# Altium PCB DL-5新款球锁 - 拼板-20201231.PcbDoc (part 1 of 9) (continued)
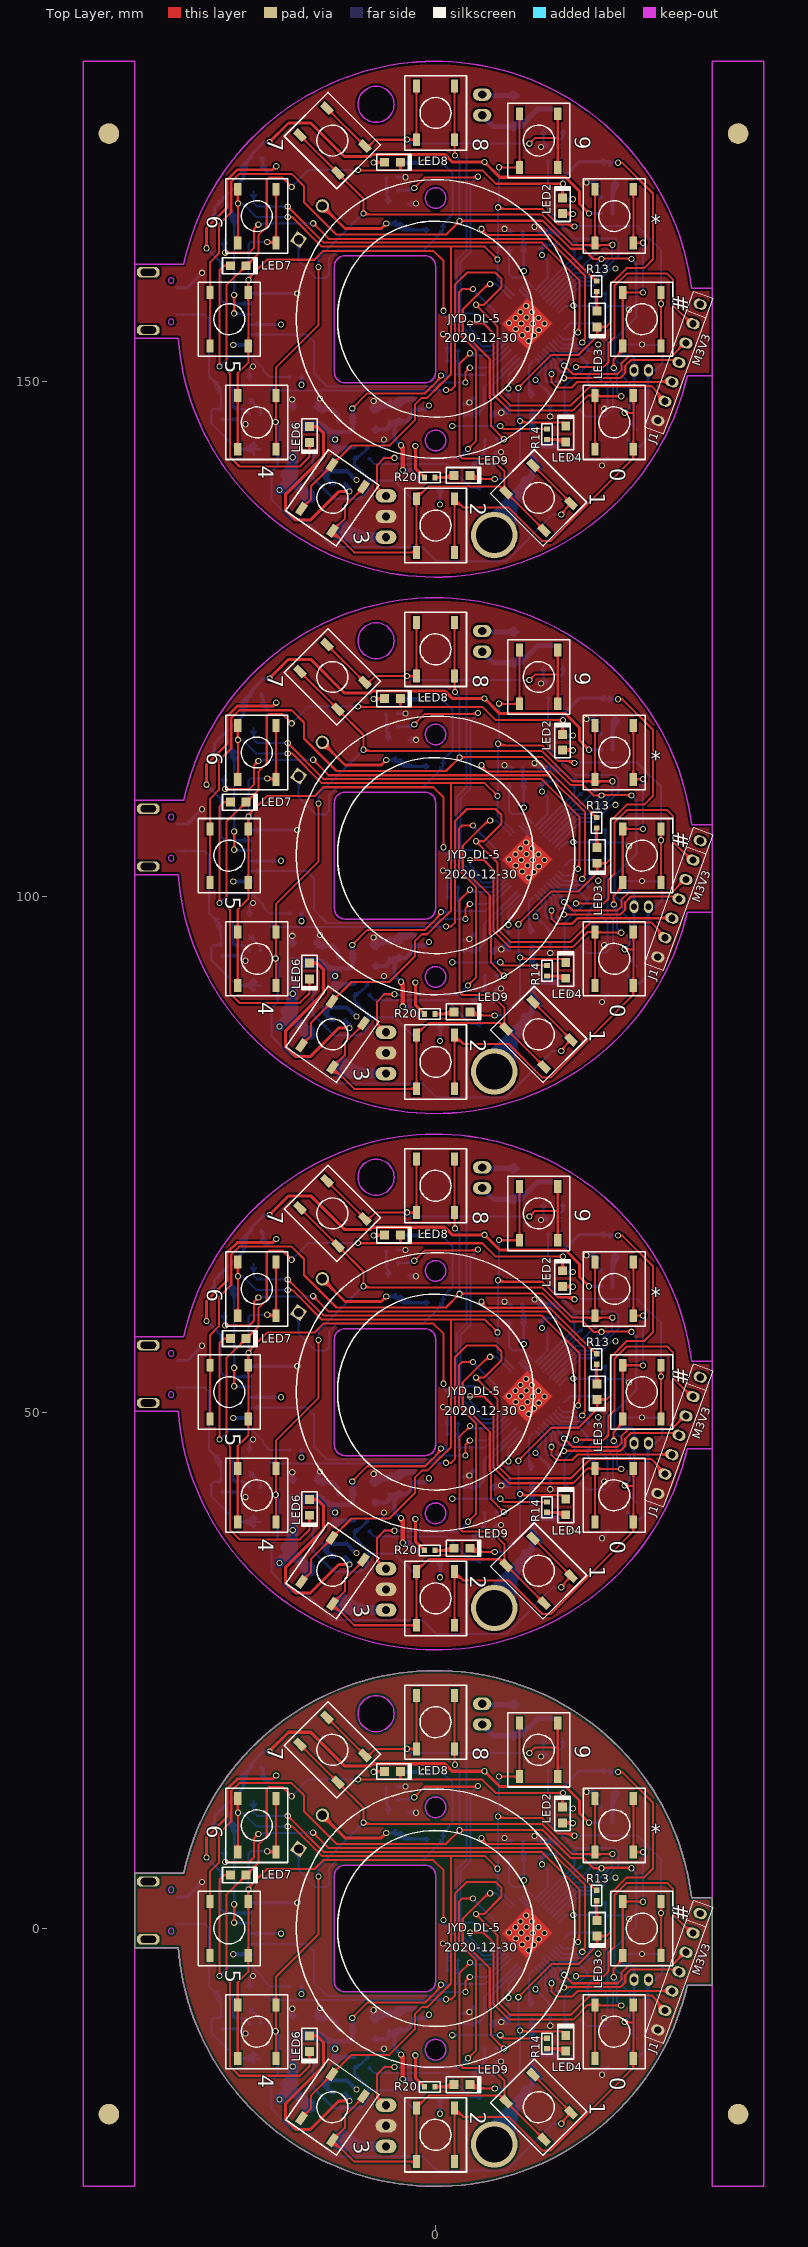
[diagram p0: Top Layer view]
## Components (designator, comment, footprint, x,y, rotation, side; value= is the part's Value field where it differs from the comment) (continued)
D1 "SS14" DO-214AA -10.723,33.204 r315 bottom
D1 "SS14" DO-214AA -10.723,-18.796 r315 bottom
D2 "SS14" DO-214AA -15.575,141.979 r135 bottom
D2 "SS14" DO-214AA -15.575,89.979 r135 bottom
D2 "SS14" DO-214AA -15.575,37.979 r135 bottom
D2 "SS14" DO-214AA -15.575,-14.021 r135 bottom
D3 "IN4148" SOD-123 7.87,176.193 r90 bottom
D3 "IN4148" SOD-123 7.87,124.193 r90 bottom
D3 "IN4148" SOD-123 7.87,72.193 r90 bottom
D3 "IN4148" SOD-123 7.87,20.193 r90 bottom
J1 "7P" 7P-2.0MM 25.65,157.448 r250 top
J1 "7P" 7P-2.0MM 25.65,105.448 r250 top
J1 "7P" 7P-2.0MM 25.65,53.448 r250 top
J1 "7P" 7P-2.0MM 25.65,1.448 r250 top
J3 "指纹串口" "6P-1.0mm 立式" -16.641,156 r270 bottom
J3 "指纹串口" "6P-1.0mm 立式" -16.641,104 r270 bottom
J3 "指纹串口" "6P-1.0mm 立式" -16.641,52 r270 bottom
J3 "指纹串口" "6P-1.0mm 立式" -16.641,0 r270 bottom
L2 "2nH" 0603L 9.368,147.796 r90 bottom
L2 "2nH" 0603L 9.368,95.796 r90 bottom
L2 "2nH" 0603L 9.368,43.796 r90 bottom
L2 "2nH" 0603L 9.368,-8.204 r90 bottom
L3 "2.2UH" 0603L 7.844,162.985 r0 bottom
L3 "2.2UH" 0603L 7.844,110.985 r0 bottom
L3 "2.2UH" 0603L 7.844,58.985 r0 bottom
L3 "2.2UH" 0603L 7.844,6.985 r0 bottom
LED2 "BLUE" 0603LED 12.315,166.998 r90 top
LED2 "BLUE" 0603LED 12.315,114.998 r90 top
LED2 "BLUE" 0603LED 12.315,62.998 r90 top
LED2 "BLUE" 0603LED 12.315,10.998 r90 top
LED3 "BLUE" 0603LED 15.667,156.025 r270 top
LED3 "BLUE" 0603LED 15.667,104.025 r270 top
LED3 "BLUE" 0603LED 15.667,52.025 r270 top
LED3 "BLUE" 0603LED 15.667,0.025 r270 top
LED4 "BLUE" 0603LED 12.619,144.875 r90 top
LED4 "BLUE" 0603LED 12.619,92.875 r90 top
LED4 "BLUE" 0603LED 12.619,40.875 r90 top
LED4 "BLUE" 0603LED 12.619,-11.125 r90 top
LED6 "BLUE" 0603LED -12.222,144.824 r270 top
LED6 "BLUE" 0603LED -12.222,92.824 r270 top
LED6 "BLUE" 0603LED -12.222,40.824 r270 top
LED6 "BLUE" 0603LED -12.222,-11.176 r270 top
LED7 "BLUE" 0603LED -19.131,161.182 r0 top
LED7 "BLUE" 0603LED -19.131,109.182 r0 top
LED7 "BLUE" 0603LED -19.131,57.182 r0 top
LED7 "BLUE" 0603LED -19.131,5.182 r0 top
LED8 "BLUE" 0603LED -4.17,171.215 r0 top
LED8 "BLUE" 0603LED -4.17,119.215 r0 top
LED8 "BLUE" 0603LED -4.17,67.215 r0 top
LED8 "BLUE" 0603LED -4.17,15.215 r0 top
LED9 "BLUE" 0603LED 2.561,140.862 r0 top
LED9 "BLUE" 0603LED 2.561,88.862 r0 top
LED9 "BLUE" 0603LED 2.561,36.862 r0 top
LED9 "BLUE" 0603LED 2.561,-15.138 r0 top
P1 "外接磁线圈" B2B-PH 4.517,176.777 r90 bottom
P1 "外接磁线圈" B2B-PH 4.517,124.777 r90 bottom
P1 "外接磁线圈" B2B-PH 4.517,72.777 r90 bottom
P1 "外接磁线圈" B2B-PH 4.517,20.777 r90 bottom
P2 "MICROUSB" MICRO-USB_F-B -26.446,157.75 r90 bottom
P2 "MICROUSB" MICRO-USB_F-B -26.446,105.75 r90 bottom
P2 "MICROUSB" MICRO-USB_F-B -26.446,53.75 r90 bottom
P2 "MICROUSB" MICRO-USB_F-B -26.446,1.75 r90 bottom
P3 "电池盒" B3B-PH -4.805,136.874 r90 bottom
P3 "电池盒" B3B-PH -4.805,84.874 r90 bottom
P3 "电池盒" B3B-PH -4.805,32.874 r90 bottom
P3 "电池盒" B3B-PH -4.805,-19.126 r90 bottom
Q1 "S8050" "SOT-23 - BCE" 11.4,175.355 r180 bottom
Q1 "S8050" "SOT-23 - BCE" 11.4,123.355 r180 bottom
Q1 "S8050" "SOT-23 - BCE" 11.4,71.355 r180 bottom
Q1 "S8050" "SOT-23 - BCE" 11.4,19.355 r180 bottom
Q2 "SI2301" "SOT-23 - GDS" -0.563,139.541 r90 bottom
Q2 "SI2301" "SOT-23 - GDS" -0.563,87.541 r90 bottom
Q2 "SI2301" "SOT-23 - GDS" -0.563,35.541 r90 bottom
Q2 "SI2301" "SOT-23 - GDS" -0.563,-16.459 r90 bottom
Q3 "BSS123W" "SOT-23 - GDS" -20.477,164.738 r0 bottom
Q3 "BSS123W" "SOT-23 - GDS" -20.477,112.738 r0 bottom
Q3 "BSS123W" "SOT-23 - GDS" -20.477,60.738 r0 bottom
Q3 "BSS123W" "SOT-23 - GDS" -20.477,8.738 r0 bottom
Q4 "BSS123W" "SOT-23 - GDS" -17.657,169.411 r0 bottom
Q4 "BSS123W" "SOT-23 - GDS" -17.657,117.411 r0 bottom
Q4 "BSS123W" "SOT-23 - GDS" -17.657,65.411 r0 bottom
Q4 "BSS123W" "SOT-23 - GDS" -17.657,13.411 r0 bottom
Q5 "SI2301" "SOT-23 - GDS" -10.698,142.284 r0 bottom
Q5 "SI2301" "SOT-23 - GDS" -10.698,90.284 r0 bottom
Q5 "SI2301" "SOT-23 - GDS" -10.698,38.284 r0 bottom
Q5 "SI2301" "SOT-23 - GDS" -10.698,-13.716 r0 bottom
Q6 "PMBT3904" "SOT-23 - BCE" -17.022,149.193 r90 bottom
Q6 "PMBT3904" "SOT-23 - BCE" -17.022,97.193 r90 bottom
Q6 "PMBT3904" "SOT-23 - BCE" -17.022,45.193 r90 bottom
Q6 "PMBT3904" "SOT-23 - BCE" -17.022,-6.807 r90 bottom
Q7 "PMBT3904" "SOT-23 - BCE" 4.542,140.76 r0 bottom
Q7 "PMBT3904" "SOT-23 - BCE" 4.542,88.76 r0 bottom
Q7 "PMBT3904" "SOT-23 - BCE" 4.542,36.76 r0 bottom
Q7 "PMBT3904" "SOT-23 - BCE" 4.542,-15.24 r0 bottom
R1 "10K" 0402R#1 11.4,172.739 r180 bottom
R1 "10K" 0402R#1 11.4,120.739 r180 bottom
R1 "10K" 0402R#1 11.4,68.739 r180 bottom
R1 "10K" 0402R#1 11.4,16.739 r180 bottom
R2 "100K" 0402R#1 -7.853,143.046 r270 bottom
R2 "100K" 0402R#1 -7.853,91.046 r270 bottom
R2 "100K" 0402R#1 -7.853,39.046 r270 bottom
R2 "100K" 0402R#1 -7.853,-12.954 r270 bottom
R3 "1K" 0402R#1 -6.507,143.071 r270 bottom
R3 "1K" 0402R#1 -6.507,91.071 r270 bottom
R3 "1K" 0402R#1 -6.507,39.071 r270 bottom
R3 "1K" 0402R#1 -6.507,-12.929 r270 bottom
R4 "200R" 0402R#1 -4.246,168.497 r0 bottom
R4 "200R" 0402R#1 -4.246,116.497 r0 bottom
R4 "200R" 0402R#1 -4.246,64.497 r0 bottom
R4 "200R" 0402R#1 -4.246,12.497 r0 bottom
R5 "10K" 0402R#1 15.261,152.901 r0 bottom
R5 "10K" 0402R#1 15.261,100.901 r0 bottom
R5 "10K" 0402R#1 15.261,48.901 r0 bottom
R5 "10K" 0402R#1 15.261,-3.099 r0 bottom
R6 "4.7K" 0402R#1 5.279,144.392 r0 bottom
R6 "4.7K" 0402R#1 5.279,92.392 r0 bottom
R6 "4.7K" 0402R#1 5.279,40.392 r0 bottom
R6 "4.7K" 0402R#1 5.279,-11.608 r0 bottom
R7 "1K" 0402R#1 11.426,171.443 r180 bottom
R7 "1K" 0402R#1 11.426,119.443 r180 bottom
R7 "1K" 0402R#1 11.426,67.443 r180 bottom
R7 "1K" 0402R#1 11.426,15.443 r180 bottom
R8 "10K" 0402R#1 15.286,151.657 r0 bottom
R8 "10K" 0402R#1 15.286,99.657 r0 bottom
R8 "10K" 0402R#1 15.286,47.657 r0 bottom
R8 "10K" 0402R#1 15.286,-4.343 r0 bottom
R11 "10K" 0402R#1 -4.272,169.767 r0 bottom
R11 "10K" 0402R#1 -4.272,117.767 r0 bottom
R11 "10K" 0402R#1 -4.272,65.767 r0 bottom
R11 "10K" 0402R#1 -4.272,13.767 r0 bottom
R12 "1K" 0402R#1 12.34,167.1 r270 bottom
R12 "1K" 0402R#1 12.34,115.1 r270 bottom
R12 "1K" 0402R#1 12.34,63.1 r270 bottom
R12 "1K" 0402R#1 12.34,11.1 r270 bottom
R13 "1K" 0402R#1 15.617,159.2 r270 top
R13 "1K" 0402R#1 15.617,107.2 r270 top
R13 "1K" 0402R#1 15.617,55.2 r270 top
R13 "1K" 0402R#1 15.617,3.2 r270 top
R14 "1K" 0402R#1 10.791,144.849 r270 top
R14 "1K" 0402R#1 10.791,92.849 r270 top
R14 "1K" 0402R#1 10.791,40.849 r270 top
R14 "1K" 0402R#1 10.791,-11.151 r270 top
R15 "1K" 0402R#1 -9.301,140.1 r0 bottom
R15 "1K" 0402R#1 -9.301,88.1 r0 bottom
R15 "1K" 0402R#1 -9.301,36.1 r0 bottom
R15 "1K" 0402R#1 -9.301,-15.9 r0 bottom
R16 "1K" 0402R#1 -13.517,150.387 r180 bottom
R16 "1K" 0402R#1 -13.517,98.387 r180 bottom
R16 "1K" 0402R#1 -13.517,46.387 r180 bottom
R16 "1K" 0402R#1 -13.517,-5.613 r180 bottom
R17 "1K" 0402R#1 -4.246,171.164 r180 bottom
R17 "1K" 0402R#1 -4.246,119.164 r180 bottom
R17 "1K" 0402R#1 -4.246,67.164 r180 bottom
R17 "1K" 0402R#1 -4.246,15.164 r180 bottom
R18 "100K%1" 0402R#1 1.697,153.054 r180 bottom
R18 "100K%1" 0402R#1 1.697,101.054 r180 bottom
R18 "100K%1" 0402R#1 1.697,49.054 r180 bottom
R18 "100K%1" 0402R#1 1.697,-2.946 r180 bottom
R19 "510%1" 0402R#1 1.697,150.514 r0 bottom
R19 "510%1" 0402R#1 1.697,98.514 r0 bottom
R19 "510%1" 0402R#1 1.697,46.514 r0 bottom
R19 "510%1" 0402R#1 1.697,-5.486 r0 bottom
R20 "1K" 0402R#2 -0.563,140.658 r180 top
R20 "1K" 0402R#2 -0.563,88.658 r180 top
R20 "1K" 0402R#2 -0.563,36.658 r180 top
R20 "1K" 0402R#2 -0.563,-15.342 r180 top
R26 "10K" 0402R#1 5.276,143.095 r0 bottom
R26 "10K" 0402R#1 5.276,91.095 r0 bottom
R26 "10K" 0402R#1 5.276,39.095 r0 bottom
R26 "10K" 0402R#1 5.276,-12.905 r0 bottom
R41 "10K" 0402R#1 -20.477,167.303 r180 bottom
R41 "10K" 0402R#1 -20.477,115.303 r180 bottom
R41 "10K" 0402R#1 -20.477,63.303 r180 bottom
R41 "10K" 0402R#1 -20.477,11.303 r180 bottom
R44 "10K" 0402R#1 -17.403,171.697 r180 bottom
R44 "10K" 0402R#1 -17.403,119.697 r180 bottom
R44 "10K" 0402R#1 -17.403,67.697 r180 bottom
R44 "10K" 0402R#1 -17.403,15.697 r180 bottom
R47 "10R" 0402R#1 0.097,171.189 r180 bottom
R47 "10R" 0402R#1 0.097,119.189 r180 bottom
R47 "10R" 0402R#1 0.097,67.189 r180 bottom
R47 "10R" 0402R#1 0.097,15.189 r180 bottom
R53 "1K" 0402R#1 16.658,166.262 r0 bottom
R53 "1K" 0402R#1 16.658,114.262 r0 bottom
R53 "1K" 0402R#1 16.658,62.262 r0 bottom
R53 "1K" 0402R#1 16.658,10.262 r0 bottom
R54 "10K" 0402R#1 16.658,167.684 r0 bottom
R54 "10K" 0402R#1 16.658,115.684 r0 bottom
R54 "10K" 0402R#1 16.658,63.684 r0 bottom
R54 "10K" 0402R#1 16.658,11.684 r0 bottom
RW1 "100K" 0402R#1 -20.807,146.805 r270 bottom
RW1 "100K" 0402R#1 -20.807,94.805 r270 bottom
RW1 "100K" 0402R#1 -20.807,42.805 r270 bottom
RW1 "100K" 0402R#1 -20.807,-9.195 r270 bottom
RW2 "100K" 0402R#1 -19.486,146.805 r90 bottom
RW2 "100K" 0402R#1 -19.486,94.805 r90 bottom
RW2 "100K" 0402R#1 -19.486,42.805 r90 bottom
RW2 "100K" 0402R#1 -19.486,-9.195 r90 bottom
RW3 "100R" 0402R#1 -17.48,146.729 r180 bottom
RW3 "100R" 0402R#1 -17.48,94.729 r180 bottom
RW3 "100R" 0402R#1 -17.48,42.729 r180 bottom
RW3 "100R" 0402R#1 -17.48,-9.271 r180 bottom
T1 "SS8050" SOT-23-3L -3.637,166.211 r0 bottom
T1 "SS8050" SOT-23-3L -3.637,114.211 r0 bottom
T1 "SS8050" SOT-23-3L -3.637,62.211 r0 bottom
T1 "SS8050" SOT-23-3L -3.637,10.211 r0 bottom
T2 "SS8050" SOT-23-3L 16.556,170.249 r180 bottom
T2 "SS8050" SOT-23-3L 16.556,118.249 r180 bottom
T2 "SS8050" SOT-23-3L 16.556,66.249 r180 bottom
T2 "SS8050" SOT-23-3L 16.556,14.249 r180 bottom
U1 "BK3435QFN48_A" QFN48_6*6*0.4 8.911,155.543 r45 bottom
U1 "BK3435QFN48_A" QFN48_6*6*0.4 8.911,103.543 r45 bottom
U1 "BK3435QFN48_A" QFN48_6*6*0.4 8.911,51.543 r45 bottom
U1 "BK3435QFN48_A" QFN48_6*6*0.4 8.911,-0.457 r45 bottom
U3 "HT7533" SOT-23-3L -7.015,146.246 r270 bottom
U3 "HT7533" SOT-23-3L -7.015,94.246 r270 bottom
U3 "HT7533" SOT-23-3L -7.015,42.246 r270 bottom
U3 "HT7533" SOT-23-3L -7.015,-9.754 r270 bottom
UB1 "PCF8563" SOP8 16.277,145.789 r135 bottom
UB1 "PCF8563" SOP8 16.277,93.789 r135 bottom
UB1 "PCF8563" SOP8 16.277,41.789 r135 bottom
UB1 "PCF8563" SOP8 16.277,-10.211 r135 bottom
X1 "16MHZ" XTAL3225 4.695,147.643 r270 bottom
X1 "16MHZ" XTAL3225 4.695,95.643 r270 bottom
X1 "16MHZ" XTAL3225 4.695,43.643 r270 bottom
X1 "16MHZ" XTAL3225 4.695,-8.357 r270 bottom
Y2 "32.768KHZ" 晶振-9 20.646,151.047 r180 bottom
Y2 "32.768KHZ" 晶振-9 20.646,99.047 r180 bottom
Y2 "32.768KHZ" 晶振-9 20.646,47.047 r180 bottom
Y2 "32.768KHZ" 晶振-9 20.646,-4.953 r180 bottom

## Footprints (in the part's own frame and the unit in brackets; to place one, negate y for a bottom-side part, rotate by r counter-clockwise, add the part's x,y. Pads: shape width x height; smd on the part's side, far side on the other; paste and mask are expansions set on the pad)
"6P-1.0mm 立式" [mm]
  rect 0.6x1.55 smd: 1(2.5,1.262) 2(1.5,1.262) 3(0.5,1.262) 4(-0.5,1.262) 5(-1.5,1.262) 6(-2.5,1.262)
  rect 1.2x1.8 smd: 7(-3.8,-1.263) 8(3.8,-1.263)
  silkscreen extent -4,-2.04 4,0.81
7P-2.0MM [mm]
  oval 1x1.3 / inner oval 1x1.3 / far side round 0 hole 0.7 mask+0.05: 1(0,0) 2(2,0) 3(4,0) 4(6,0) 5(8,0) 6(10,0) 7(12,0)
  silkscreen extent -1,-1 13,1
0402C [mil]
  rect 20x22 smd mask+2: 1(-20,0) 2(20,0)
  silkscreen extent -40,-20 40,20, body extent -19,-12 20,12, height 8
0402R#1 [mil]
  rect 20x22 smd mask+2: 1(-20,0) 2(20,0)
  silkscreen extent -40,-20 40,20, body extent -23,-11 23,11, height 16
0402R#2 [mil]
  rect 20x22 smd mask+2: 1(20,0) 2(-20,0)
  silkscreen extent -40,-20 40,20, body extent -23,-11 23,11, height 16
0603C [mm]
  rect 0.8x0.9 smd: 1(-0.711,0) 2(0.711,0)
  silkscreen extent -1.47,-0.71 1.47,0.71, body extent -0.8,-0.4 0.8,0.4, height 0.3
0603L [mm]
  rect 0.8x0.9 smd: 1(-0.711,0) 2(0.711,0)
  silkscreen extent -1.4,-0.7 1.4,0.7, body extent -0.82,-0.41 0.82,0.41, height 0.46
0603LED [mil]
  rect 34x34 smd: 1(-30,0) 2(30,0)
  silkscreen extent -60,-30 72,30, body extent -32,-16 31,16, height 24
0805C [mil]
  rect 40x56 smd: 1(-33,0) 2(33,0)
  silkscreen extent -70,-41 70,41, body extent -39,-25 39,25, height 30
ANT_mark [mm]
  oval 2.5x1.5 smd: 1(0,0)
B2B-PH [mm]
  round 1.2 / inner round 1.2 / far side oval 1.2x1.8 hole 0.8 mask+0.05: 1(-1,0) 2(1,0)
  silkscreen extent -3.1,-2.9 3.1,1.9
B3B-PH [mm]
  round 1.3 / inner round 1.3 / far side oval 1.3x2 hole 0.8 mask+0.05: 1(-2,0) 2(0,0) 3(2,0)
  silkscreen extent -4.1,-2.9 4.1,1.9
BUZZER_D93_L40 [mm]
  rect 1.2x1.2 hole 0.9: 1(-2,0)
  round 1.3 hole 0.9: 2(2,0)
  silkscreen extent -4.65,-4.65 4.65,4.65
DO-214AA [mm]
  rect 2x1.8 smd: 1(2,0) 2(-2,0)
  silkscreen extent -2.15,-1.62 2.15,1.62
KEY_5.2*3.7*6.4 [mm]
  rect 1.25x0.7 smd: 1(-2.6,1.85) 1(2.6,1.85) 2(-2.6,-1.85) 2(2.6,-1.85)
  silkscreen extent -3.6,-3 3.6,3
MICRO-USB_F-B [mm]
  rect 0.36x1.5 smd mask+0.05: 1(-1.3,1.4) 2(-0.65,1.4) 3(0,1.4) 4(0.65,1.4) 5(1.3,1.4)
  oct 1x2.2 hole 0.7 slot 1.5 at 90 deg mask+0.05: 6(2.8,-1.4) 7(-2.8,-1.4)
  rect 0.65x1.4 smd: 8(3.029,1.543) 9(-3.029,1.543)
  Keep-Out Layer circle w0.1: c2,0.813 r0.275
  Keep-Out Layer circle w0.1: c-2,0.813 r0.275
  silkscreen extent -4.1,-4.14 4.1,1.5
QFN48_6*6*0.4 [mm]
  rect 3.5x3.5 smd: 0(0,0)
  oval 0.8x0.2 smd: 1(-2.9,2.2) 2(-2.9,1.8) 3(-2.9,1.4) 4(-2.9,1) 5(-2.9,0.6) 6(-2.9,0.2) 7(-2.9,-0.2) 8(-2.9,-0.6) 9(-2.9,-1) 10(-2.9,-1.4) 11(-2.9,-1.8) 12(-2.9,-2.2) 25(2.9,-2.2) 26(2.9,-1.8) 27(2.9,-1.4) 28(2.9,-1) 29(2.9,-0.6) 30(2.9,-0.2) 31(2.9,0.2) 32(2.9,0.6) 33(2.9,1) 34(2.9,1.4) 35(2.9,1.8) 36(2.9,2.2)
  oval 0.2x0.8 smd: 13(-2.2,-2.9) 14(-1.8,-2.9) 15(-1.4,-2.9) 16(-1,-2.9) 17(-0.6,-2.9) 18(-0.2,-2.9) 19(0.2,-2.9) 20(0.6,-2.9) 21(1,-2.9) 22(1.4,-2.9) 23(1.8,-2.9) 24(2.2,-2.9) 37(2.2,2.9) 38(1.8,2.9) 39(1.4,2.9) 40(1,2.9) 41(0.6,2.9) 42(0.2,2.9) 43(-0.2,2.9) 44(-0.6,2.9) 45(-1,2.9) 46(-1.4,2.9) 47(-1.8,2.9) 48(-2.2,2.9)
  silkscreen extent -4,-4 4,4
SOD-123 [mm]
  rect 1.2x1.3 smd mask+0.05: 1(-1.5,0) 2(1.5,0)
  silkscreen extent -2.4,-1 2.4,1
SOP8 [mm]
  rect 1.5x0.6 smd mask+0.05: 1(-2.6,1.905)
  oval 1.5x0.6 smd mask+0.05: 2(-2.6,0.635) 3(-2.6,-0.635) 4(-2.6,-1.905) 5(2.6,-1.905) 6(2.6,-0.635) 7(2.6,0.635) 8(2.6,1.905)
  round 0.4 on Bottom Overlay mask+0.05: ""(-0.949,1.905)
  silkscreen extent -1.4,-2.54 1.4,2.54
"SOT-23 - BCE" [mm]
  rect 0.85x0.85 smd: B(-0.95,-1.016)
  rect 0.85x1 smd: C(0,1.016)
  rect 0.914x0.85 smd: E(0.95,-1.016)
  silkscreen extent -1.46,-1.14 1.46,1.14, body extent -1.45,-1.4 1.45,1.4, height 1.2
"SOT-23 - GDS" [mil]
  rect 36x43.31 smd: D(0,40)
  rect 36x36 smd: G(-37.4,-40) S(37.4,-40)
  silkscreen extent -57,-45 58,45, body extent -57,-55 57,55, height 47
SOT-23-3L [mil]
  rect 36x36 smd: 1(-37.4,-40) 2(37.4,-40)
  rect 36x43.31 smd: 3(0,40)
  silkscreen extent -57,-45 58,45
XTAL3225 [mm]
  rect 0.9x0.8 smd: 1(-0.95,-0.75) 2(0.95,-0.75) 3(0.95,0.75) 4(-0.95,0.75)
  silkscreen extent -1.7,-1.4 1.7,1.4
晶振-9 [mm]
  oval 0.9x1.2 hole 0.6: 1(0,0) 2(1.4,0)
  rect 0x0 smd: 3(0.635,8)
  silkscreen extent -0.3,0.76 1.7,7

## Part data
0 0 0 0 1 1 1 1 2 2 2 2 3 3 3 3 4 4 4 4 5 5 5 5 6 6 6 6 7 7 7 7 8 8 8 8 9 9 9 9 # # # # * * * *: "Switch"
ANT1 ANT1 ANT1 ANT1: library part Socket, "Socket"
BZ1 BZ1 BZ1 BZ1: "Buzzer"
C1 C1 C1 C1 C28 C28 C28 C28 C30 C30 C30 C30 C32 C32 C32 C32 C33 C33 C33 C33 C34 C34 C34 C34 C35 C35 C35 C35 C36 C36 C36 C36 C37 C37 C37 C37 C38 C38 C38 C38 C41 C41 C41 C41 C42 C42 C42 C42 C44 C44 C44 C44: library part Cap, "Capacitor"
C2 C2 C2 C2 C4 C4 C4 C4: library part CAP-P, "Capacitor, tolerance ±20%"
C3 C3 C3 C3: library part "CAP NP"
C5 C5 C5 C5 C6 C6 C6 C6 C7 C7 C7 C7 C20 C20 C20 C20 C27 C27 C27 C27: library part CAP-NP, "Capacitor, Ceramic"
C39 C39 C39 C39 C40 C40 C40 C40 C43 C43 C43 C43 C45 C45 C45 C45: library part C
D1 D1 D1 D1 D2 D2 D2 D2 D3 D3 D3 D3: library part D
J3 J3 J3 J3: library part "Header 6", "Header, 6-Pin"
L2 L2 L2 L2 L3 L3 L3 L3: "Power Inductor, 4.7uH, 0.7A, 260mR DCR"
LED2 LED2 LED2 LED2 LED3 LED3 LED3 LED3 LED4 LED4 LED4 LED4 LED6 LED6 LED6 LED6 LED7 LED7 LED7 LED7 LED8 LED8 LED8 LED8 LED9 LED9 LED9 LED9: library part LED
P1 P1 P1 P1: library part "Header 2", "Header, 2-Pin"
P2 P2 P2 P2: library part MHDR1X2, "Header, 2-Pin"
P3 P3 P3 P3: library part "Header 3", "Header, 3-Pin"
Q1 Q1 Q1 Q1: library part PMBT3904_Dup1
Q2 Q2 Q2 Q2 Q5 Q5 Q5 Q5: library part PWRMOSFET_EP_DGS_0
Q3 Q3 Q3 Q3 Q4 Q4 Q4 Q4: library part BSS123L_0
R1 R1 R1 R1 R7 R7 R7 R7 R41 R41 R41 R41 R44 R44 R44 R44: library part RES
R2 R2 R2 R2 R3 R3 R3 R3 R5 R5 R5 R5 R6 R6 R6 R6 R8 R8 R8 R8 R12 R12 R12 R12 R13 R13 R13 R13 R14 R14 R14 R14 R15 R15 R15 R15 R16 R16 R16 R16 R17 R17 R17 R17 R20 R20 R20 R20 R26 R26 R26 R26 R53 R53 R53 R53 R54 R54 R54 R54 RW1 RW1 RW1 RW1 RW2 RW2 RW2 RW2 RW3 RW3 RW3 RW3: library part R
R4 R4 R4 R4 R11 R11 R11 R11 R47 R47 R47 R47: library part R_Dup1
R18 R18 R18 R18 R19 R19 R19 R19: library part Res2, "Resistor"
T1 T1 T1 T1 T2 T2 T2 T2: library part NPN_BJT, "Bipolar Junction Transistor"
U1 U1 U1 U1: library part EFR32BG1-QFN48
U3 U3 U3 U3: library part XC6206P302M
UB1 UB1 UB1 UB1: library part IC8
Y2 Y2 Y2 Y2: library part 晶振

## Free pads (board coordinates)
  round 2 smd: 1(-31.664,-18) 2(29.328,-18) 3(29.328,174) 4(-31.664,174)
  round 4.5 hole 3.5: 1(5.688,-20.929) 1(5.688,31.071) 1(5.688,83.071) 1(5.688,135.071)
  round 2 smd far side: 5(29.328,174) 6(-31.664,174) 7(-31.664,-18) 8(29.328,-18)

## Via types
v1: diameter 0.6, hole 0.4, Top Layer to Bottom Layer, 440 vias
v2: diameter 0.6, hole 0.4, Top Layer to Bottom Layer, tented both sides, 48 vias
v3: diameter 0.61, hole 0.406, Top Layer to Bottom Layer, 24 vias
v4: diameter 0.61, hole 0.4, Top Layer to Bottom Layer, 16 vias
v5: diameter 0.61, hole 0.406, Top Layer to Bottom Layer, tented both sides, 8 vias

## Nets (pads, with @x,y where several pads share a name; then routed paths per layer and width w, separated by ;. In a path a pad name is that pad's centre, name@x,y a point inside that pad or via, vN(x,y) a via of type N, cw(c..) or ccw(c..) an arc to the next point about the centre after c; other vN are vias at no path point)
ANT: ANT1.1 C30.2 C32.2 pad.1@5.688,31.071 pad.1@5.688,83.071 pad.1@5.688,135.071 pad.1@5.688,-20.929 | length 158.7
  Bottom Layer w0.6: pad.1@5.243,-21 cw(c8.138,-20.539) 6.065,-18.467 ; pad.1@5.243,31 cw(c8.138,31.461) 6.065,33.533 ; pad.1@5.243,83 cw(c8.138,83.461) 6.065,85.533 ; pad.1@5.243,135 cw(c8.138,135.461) 6.065,137.533 ; pad.1@5.688,-20.929 5.688,-19.124 pad.1@5.827,-18.984 ; pad.1@5.688,-18.844 ANT1.1@9.394,-15.138 C30.2@9.394,-12.217 11.756,-12.217 C32.2@11.807,-12.268 ; pad.1@5.688,31.071 5.688,32.876 pad.1@5.827,33.016 ; pad.1@5.688,33.156 ANT1.1@9.394,36.862 C30.2@9.394,39.783 11.756,39.783 C32.2@11.807,39.732 ; pad.1@5.688,83.071 5.688,84.876 pad.1@5.827,85.016 ; pad.1@5.688,85.156 ANT1.1@9.394,88.862 C30.2@9.394,91.783 11.756,91.783 C32.2@11.807,91.732 ; pad.1@5.688,135.071 5.688,136.876 pad.1@5.827,137.016 ; pad.1@5.688,137.156 ANT1.1@9.394,140.862 C30.2@9.394,143.783 11.756,143.783 C32.2@11.807,143.732 ; pad.1@5.836,-20.905 cw(c9.574,-20.311) 6.897,-17.635 ; pad.1@5.836,31.095 cw(c9.574,31.689) 6.897,34.365 ; pad.1@5.836,83.095 cw(c9.574,83.689) 6.897,86.365 ; pad.1@5.836,135.095 cw(c9.574,135.689) 6.897,138.365 ; pad.1@6.428,-20.811 cw(c11.01,-20.083) 7.729,-16.803 ; pad.1@6.428,31.189 cw(c11.01,31.917) 7.729,35.197 ; pad.1@6.428,83.189 cw(c11.01,83.917) 7.729,87.197 ; pad.1@6.428,135.189 cw(c11.01,135.917) 7.729,139.197 ; pad.1@7.021,-20.717 cw(c12.445,-19.854) ANT1.1@8.561,-15.971 ; pad.1@7.021,31.283 cw(c12.445,32.146) ANT1.1@8.561,36.029 ; pad.1@7.021,83.283 cw(c12.445,84.146) ANT1.1@8.561,88.029 ; pad.1@7.021,135.283 cw(c12.445,136.146) ANT1.1@8.561,140.029 ; pad.1@7.613,-20.623 cw(c13.881,-19.626) ANT1.1@9.394,-15.138 ; pad.1@7.613,31.377 cw(c13.881,32.374) ANT1.1@9.394,36.862 ; pad.1@7.613,83.377 cw(c13.881,84.374) ANT1.1@9.394,88.862 ; pad.1@7.613,135.377 cw(c13.881,136.374) ANT1.1@9.394,140.862 ; 8.159,-16.541 cw(c9.369,-17.394) ANT1.1@9.117,-15.935 ; 8.159,35.459 cw(c9.369,34.606) ANT1.1@9.117,36.065 ; 8.159,87.459 cw(c9.369,86.606) ANT1.1@9.117,88.065 ; 8.159,139.459 cw(c9.369,138.606) ANT1.1@9.117,140.065 ; 8.48,-16.086 ccw(c7.915,-15.687) ANT1.1@8.597,-15.569 ; 8.48,35.914 ccw(c7.915,36.313) ANT1.1@8.597,36.431 ; 8.48,87.914 ccw(c7.915,88.313) ANT1.1@8.597,88.431 ; 8.48,139.914 ccw(c7.915,140.313) ANT1.1@8.597,140.431 ; ANT1.1@8.59,-15.492 cw(c7.504,-15.492) 8.272,-16.26 cw(c9.04,-17.028) ANT1.1@9.04,-15.942 ; ANT1.1@8.59,36.508 cw(c7.504,36.508) 8.272,35.74 cw(c9.04,34.972) ANT1.1@9.04,36.058 ; ANT1.1@8.59,88.508 cw(c7.504,88.508) 8.272,87.74 cw(c9.04,86.972) ANT1.1@9.04,88.058 ; ANT1.1@8.59,140.508 cw(c7.504,140.508) 8.272,139.74 cw(c9.04,138.972) ANT1.1@9.04,140.058 ; 9.394,-12.845 ccw(c11.687,-12.845) ANT1.1@10.065,-14.467 ; 9.394,39.155 ccw(c11.687,39.155) ANT1.1@10.065,37.533 ; 9.394,91.155 ccw(c11.687,91.155) ANT1.1@10.065,89.533 ; 9.394,143.155 ccw(c11.687,143.155) ANT1.1@10.065,141.533
BAT_ADC: C27.2 R18.1 R19.2 U1.5 | length 45.5
  Bottom Layer w0.2: C27.2@2.071,-4.317 cw(c1.808,-4.58) 2.18,-4.58 cw(c2.552,-4.58) C27.2@2.289,-4.317 ; C27.2@2.071,-4.048 ccw(c1.785,-3.762) 2.19,-3.762 ; C27.2@2.071,47.683 cw(c1.808,47.42) 2.18,47.42 cw(c2.552,47.42) C27.2@2.289,47.683 ; C27.2@2.071,47.952 ccw(c1.785,48.238) 2.19,48.238 ; C27.2@2.071,99.683 cw(c1.808,99.42) 2.18,99.42 cw(c2.552,99.42) C27.2@2.289,99.683 ; C27.2@2.071,99.952 ccw(c1.785,100.238) 2.19,100.238 ; C27.2@2.071,151.683 cw(c1.808,151.42) 2.18,151.42 cw(c2.552,151.42) C27.2@2.289,151.683 ; C27.2@2.071,151.952 ccw(c1.785,152.238) 2.19,152.238 ; R19.2@2.097,-5.352 ccw(c1.895,-5.15) 2.18,-5.15 ; R18.1@2.097,-3.081 cw(c1.871,-3.306) 2.19,-3.306 ; R19.2@2.097,46.648 ccw(c1.895,46.85) 2.18,46.85 ; R18.1@2.097,48.919 cw(c1.871,48.694) 2.19,48.694 ; R19.2@2.097,98.648 ccw(c1.895,98.85) 2.18,98.85 ; R18.1@2.097,100.919 cw(c1.871,100.694) 2.19,100.694 ; R19.2@2.097,150.648 ccw(c1.895,150.85) 2.18,150.85 ; R18.1@2.097,152.919 cw(c1.871,152.694) 2.19,152.694 ; 2.18,-5.028 ccw(c2.639,-5.028) R19.2@2.314,-5.352 ; C27.2@2.18,-4.183 2.18,-5.385 4.832,-5.385 U1.5@7.285,-2.932 ; 2.18,46.972 ccw(c2.639,46.972) R19.2@2.314,46.648 ; C27.2@2.18,47.817 2.18,46.615 4.832,46.615 U1.5@7.285,49.068 ; 2.18,98.972 ccw(c2.639,98.972) R19.2@2.314,98.648 ; C27.2@2.18,99.817 2.18,98.615 4.832,98.615 U1.5@7.285,101.068 ; 2.18,150.972 ccw(c2.639,150.972) R19.2@2.314,150.648 ; C27.2@2.18,151.817 2.18,150.615 4.832,150.615 U1.5@7.285,153.068 ; C27.2@2.19,-4.183 R18.1@2.19,-2.955 ; 2.19,-3.809 ccw(c2.528,-3.809) C27.2@2.289,-4.048 ; 2.19,-3.381 cw(c2.615,-3.381) R18.1@2.314,-3.081 ; C27.2@2.19,47.817 R18.1@2.19,49.045 ; 2.19,48.191 ccw(c2.528,48.191) C27.2@2.289,47.952 ; 2.19,48.619 cw(c2.615,48.619) R18.1@2.314,48.919 ; C27.2@2.19,99.817 R18.1@2.19,101.045 ; 2.19,100.191 ccw(c2.528,100.191) C27.2@2.289,99.952 ; 2.19,100.619 cw(c2.615,100.619) R18.1@2.314,100.919 ; C27.2@2.19,151.817 R18.1@2.19,153.045 ; 2.19,152.191 ccw(c2.528,152.191) C27.2@2.289,151.952 ; 2.19,152.619 cw(c2.615,152.619) R18.1@2.314,152.919 ; R19.2@2.314,-5.57 cw(c2.761,-6.017) 2.761,-5.385 ; R19.2@2.314,46.43 cw(c2.761,45.983) 2.761,46.615 ; R19.2@2.314,98.43 cw(c2.761,97.983) 2.761,98.615 ; R19.2@2.314,150.43 cw(c2.761,149.983) 2.761,150.615
BEEP: R4.2 U1.12 | length 120.8
  Top Layer w0.2: v1(-2.062,12.725) -1.046,13.741 4.034,13.741 v1(4.11,13.818) ; v1@-2.062,12.925 ccw(c-2.062,13.408) -1.72,13.067 ccw(c-1.379,12.725) v1@-1.862,12.725 ; v1(-2.062,64.725) -1.046,65.741 4.034,65.741 v1(4.11,65.818) ; v1@-2.062,64.925 ccw(c-2.062,65.408) -1.72,65.067 ccw(c-1.379,64.725) v1@-1.862,64.725 ; v1(-2.062,116.725) -1.046,117.741 4.034,117.741 v1(4.11,117.818) ; v1@-2.062,116.925 ccw(c-2.062,117.408) -1.72,117.067 ccw(c-1.379,116.725) v1@-1.862,116.725 ; v1(-2.062,168.725) -1.046,169.741 4.034,169.741 v1(4.11,169.818) ; v1@-2.062,168.925 ccw(c-2.062,169.408) -1.72,169.067 ccw(c-1.379,168.725) v1@-1.862,168.725 ; 3.444,13.741 ccw(c3.444,14.484) v1@3.969,13.959 ; 3.444,65.741 ccw(c3.444,66.484) v1@3.969,65.959 ; 3.444,117.741 ccw(c3.444,118.484) v1@3.969,117.959 ; 3.444,169.741 ccw(c3.444,170.484) v1@3.969,169.959 ; 3.812,13.741 cw(c3.812,13.519) v1@3.969,13.676 ; 3.812,65.741 cw(c3.812,65.519) v1@3.969,65.676 ; 3.812,117.741 cw(c3.812,117.519) v1@3.969,117.676 ; 3.812,169.741 cw(c3.812,169.519) v1@3.969,169.676
  Bottom Layer w0.2: R4.2@-3.738,12.497 -2.29,12.497 v1(-2.062,12.725) cw(c-2.614,13.277) -2.614,12.497 ; R4.2@-3.738,64.497 -2.29,64.497 v1(-2.062,64.725) cw(c-2.614,65.277) -2.614,64.497 ; R4.2@-3.738,116.497 -2.29,116.497 v1(-2.062,116.725) cw(c-2.614,117.277) -2.614,116.497 ; R4.2@-3.738,168.497 -2.29,168.497 v1(-2.062,168.725) cw(c-2.614,169.277) -2.614,168.497 ; R4.2@-3.629,12.388 cw(c-3.366,12.125) -3.366,12.497 cw(c-3.366,12.869) R4.2@-3.629,12.606 ; R4.2@-3.629,64.388 cw(c-3.366,64.125) -3.366,64.497 cw(c-3.366,64.869) R4.2@-3.629,64.606 ; R4.2@-3.629,116.388 cw(c-3.366,116.125) -3.366,116.497 cw(c-3.366,116.869) R4.2@-3.629,116.606 ; R4.2@-3.629,168.388 cw(c-3.366,168.125) -3.366,168.497 cw(c-3.366,168.869) R4.2@-3.629,168.606 ; -3.096,12.497 ccw(c-3.096,13.76) v1@-2.203,12.867 ; -3.096,64.497 ccw(c-3.096,65.76) v1@-2.203,64.867 ; -3.096,116.497 ccw(c-3.096,117.76) v1@-2.203,116.867 ; -3.096,168.497 ccw(c-3.096,169.76) v1@-2.203,168.867 ; v1@3.91,13.818 cw(c3.428,13.818) 3.769,13.476 cw(c4.11,13.135) v1@4.11,13.618 ; v1@3.91,65.818 cw(c3.428,65.818) 3.769,65.476 cw(c4.11,65.135) v1@4.11,65.618 ; v1@3.91,117.818 cw(c3.428,117.818) 3.769,117.476 cw(c4.11,117.135) v1@4.11,117.618 ; v1@3.91,169.818 cw(c3.428,169.818) 3.769,169.476 cw(c4.11,169.135) v1@4.11,169.618 ; v1(4.11,13.818) 3.398,13.105 3.398,6.523 2.434,5.559 2.434,0.75 2.619,0.566 3.787,0.566 U1.12@5.305,-0.952 ; v1(4.11,65.818) 3.398,65.105 3.398,58.523 2.434,57.559 2.434,52.75 2.619,52.566 3.787,52.566 U1.12@5.305,51.048 ; v1(4.11,117.818) 3.398,117.105 3.398,110.523 2.434,109.559 2.434,104.75 2.619,104.566 3.787,104.566 U1.12@5.305,103.048 ; v1(4.11,169.818) 3.398,169.105 3.398,162.523 2.434,161.559 2.434,156.75 2.619,156.566 3.787,156.566 U1.12@5.305,155.048
CE(RST): U1.16